# Altium PCB Motor_Driver_3_Phase.PcbDoc (part 1 of 3)
Units mm, origin at the board's own origin, x right, y up, seen from the top; angles counter-clockwise.
Board outline 164.5 x 248.75 mm, 4 copper layers (Top Layer, mid1, mid2, Bottom Layer), stack 0.604 mm thick; 448 components, 306 nets, 1071 pads, 1519 vias.
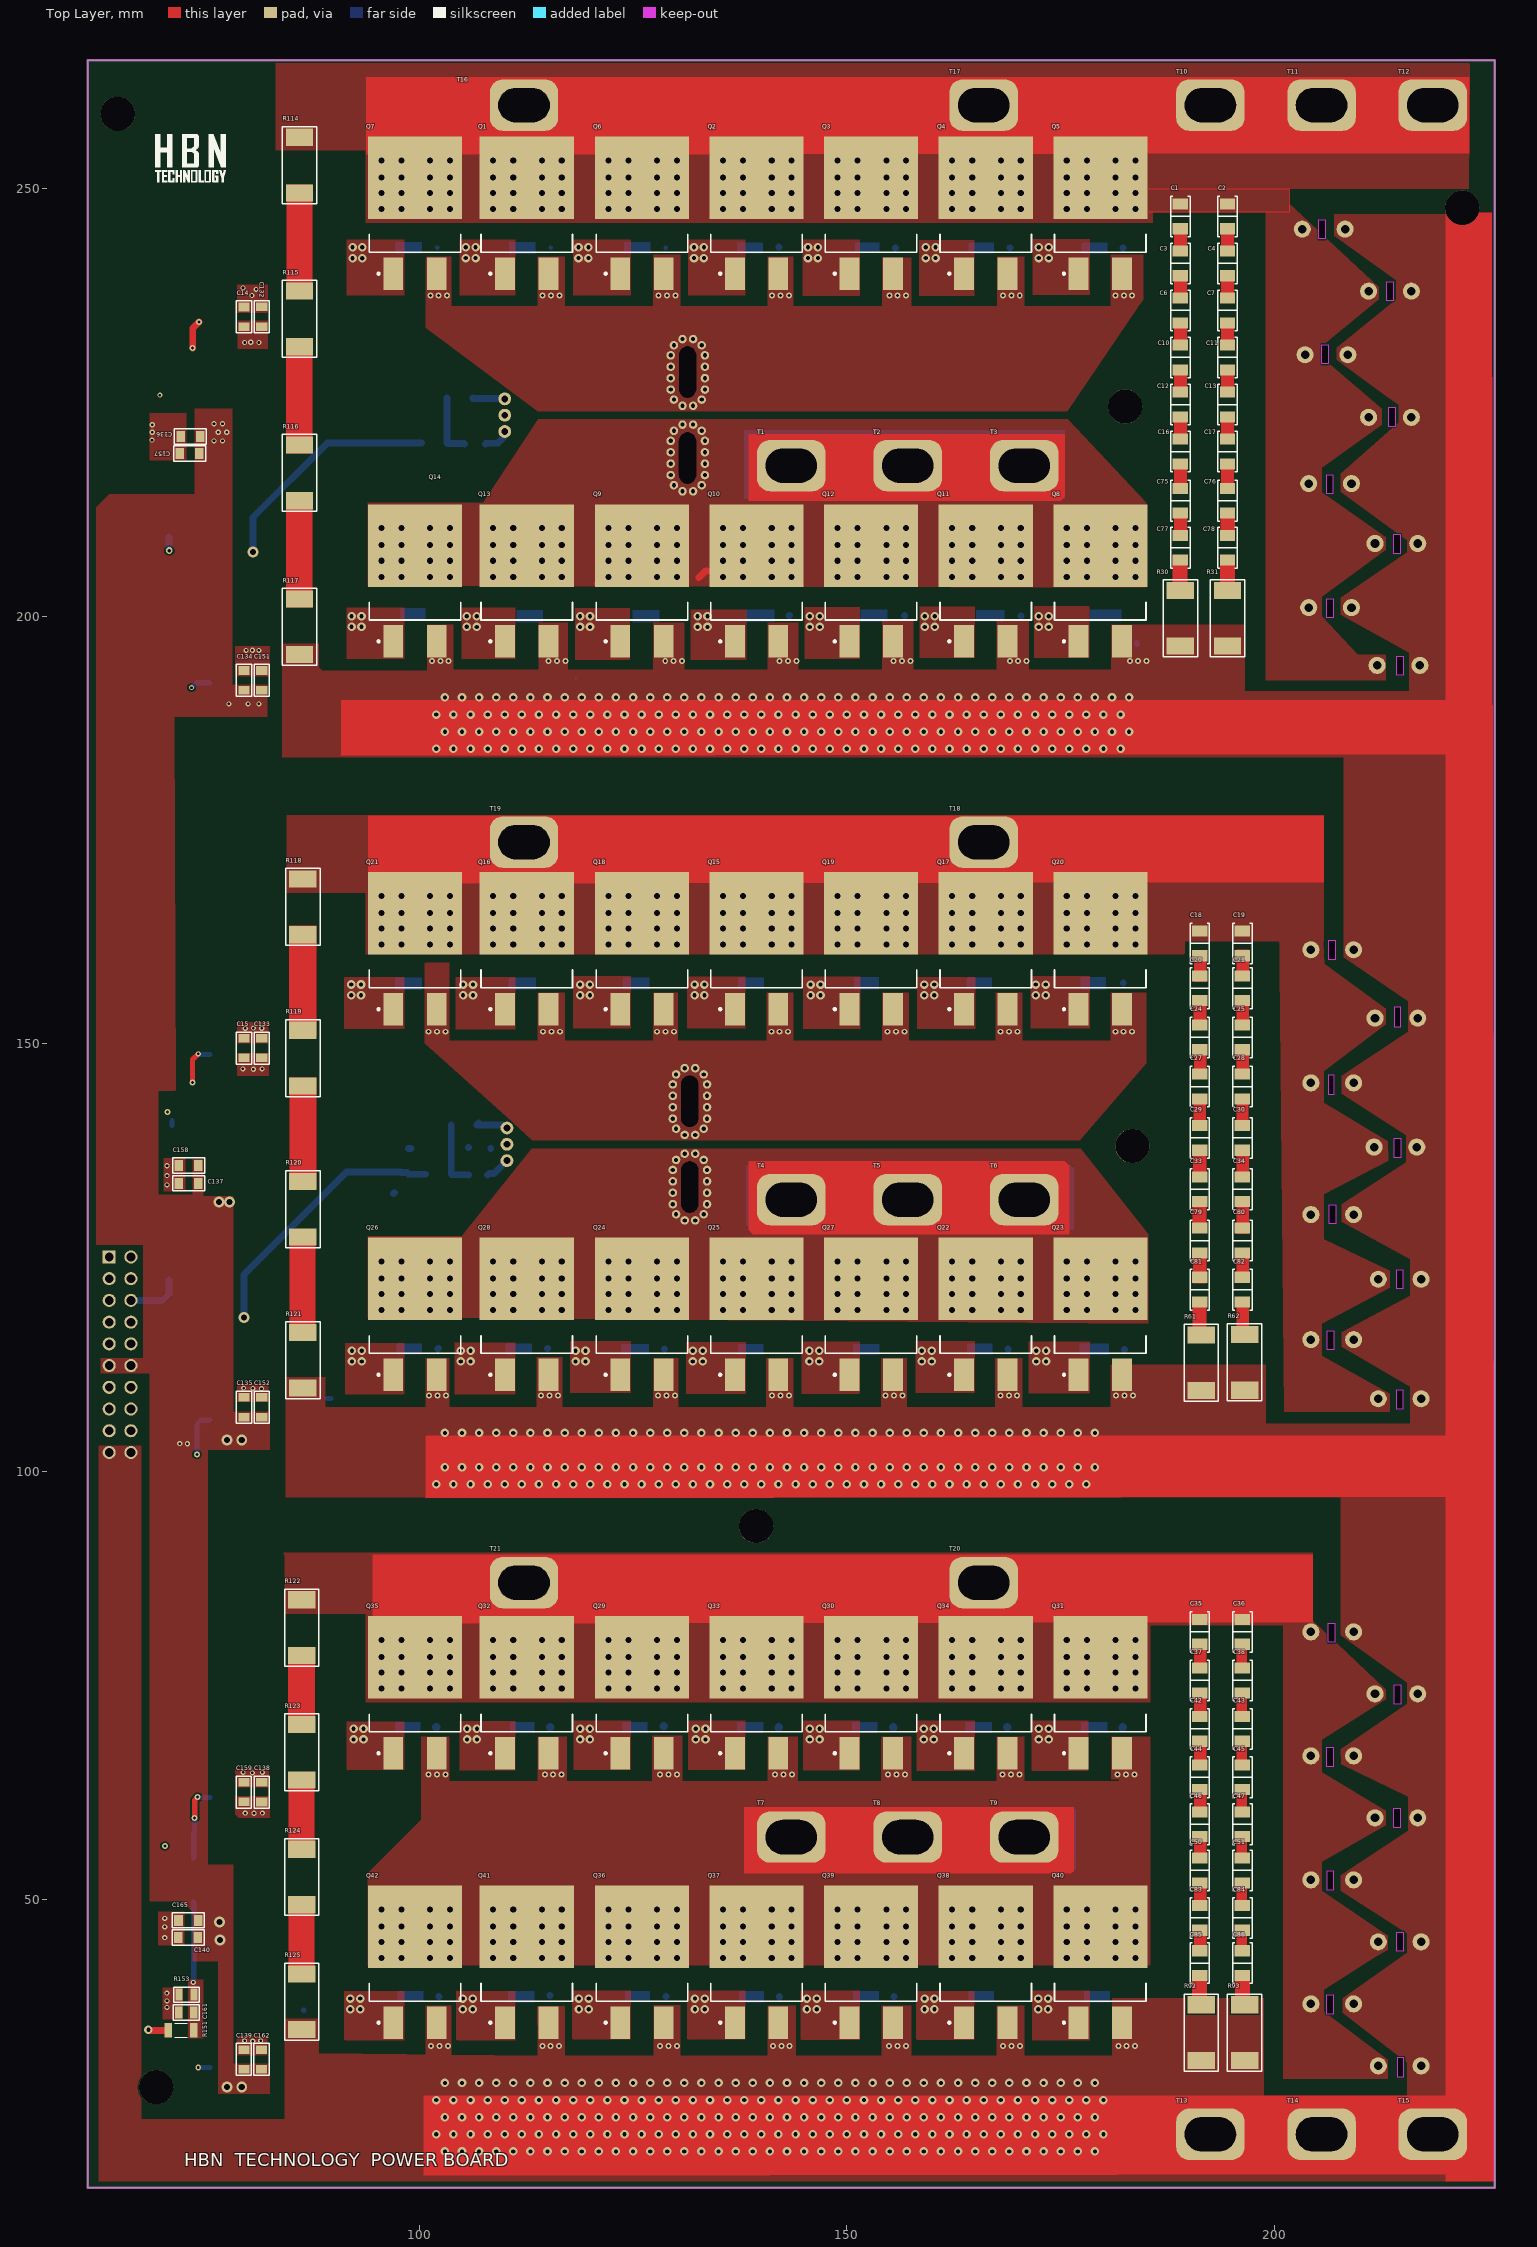
[diagram p0: Top Layer view]
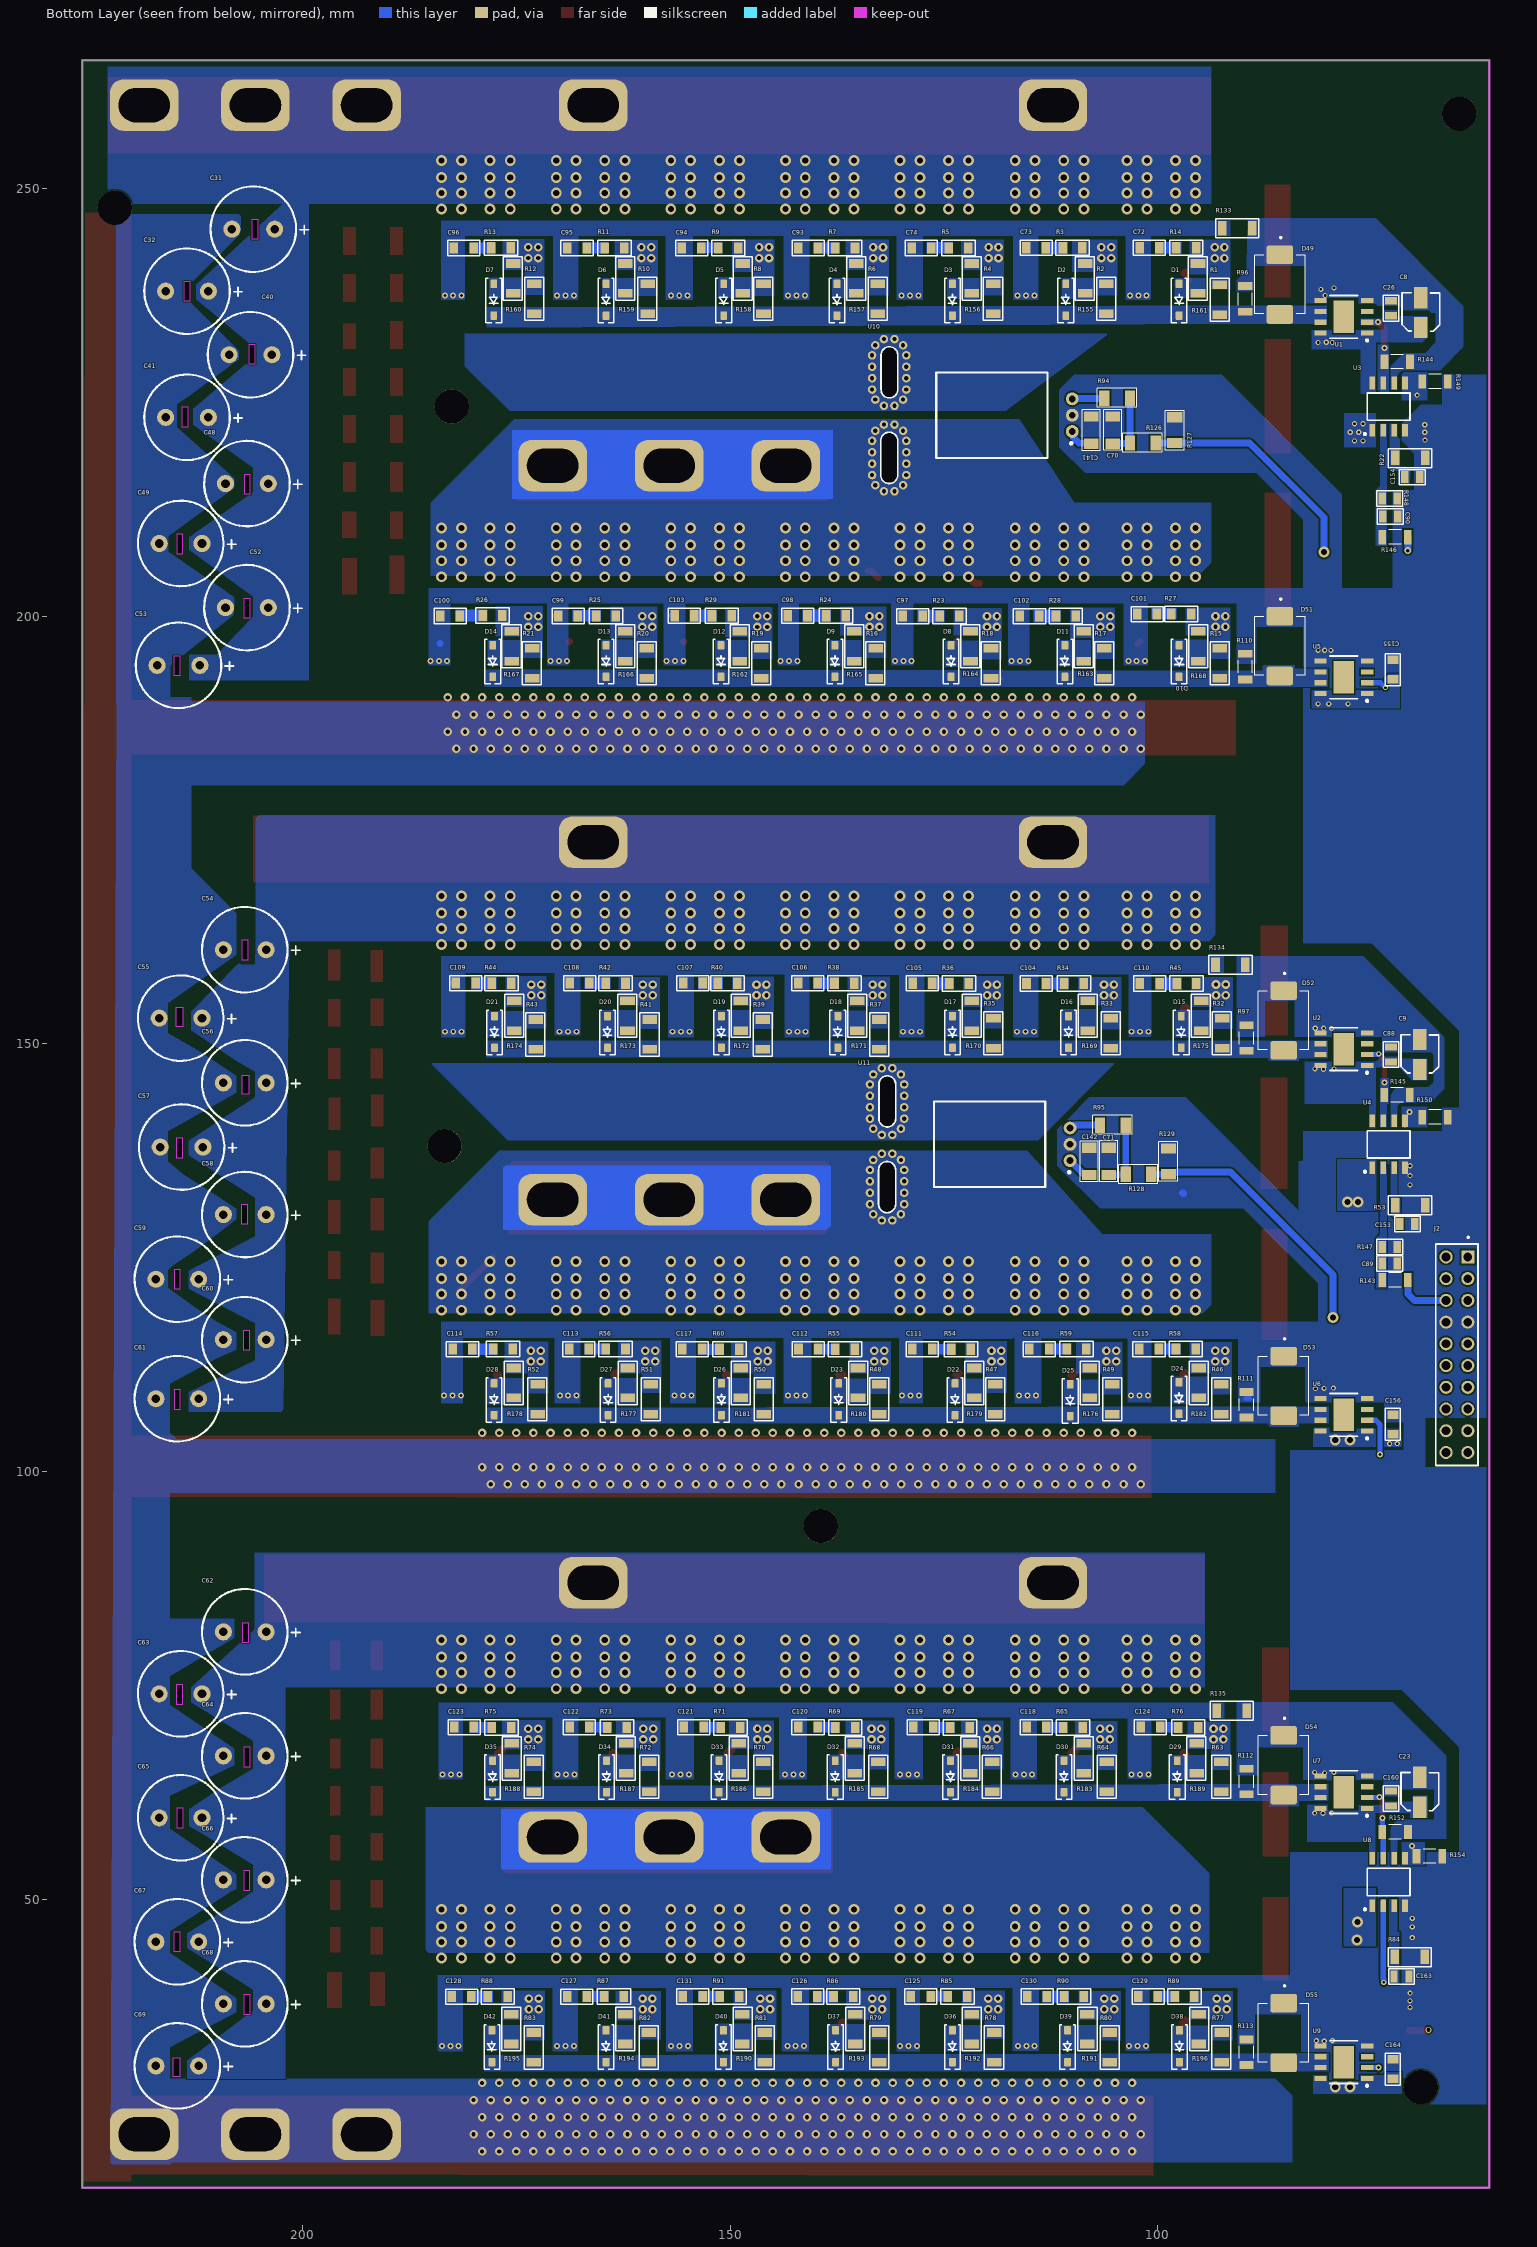
[diagram p1: Bottom Layer view, seen from below]
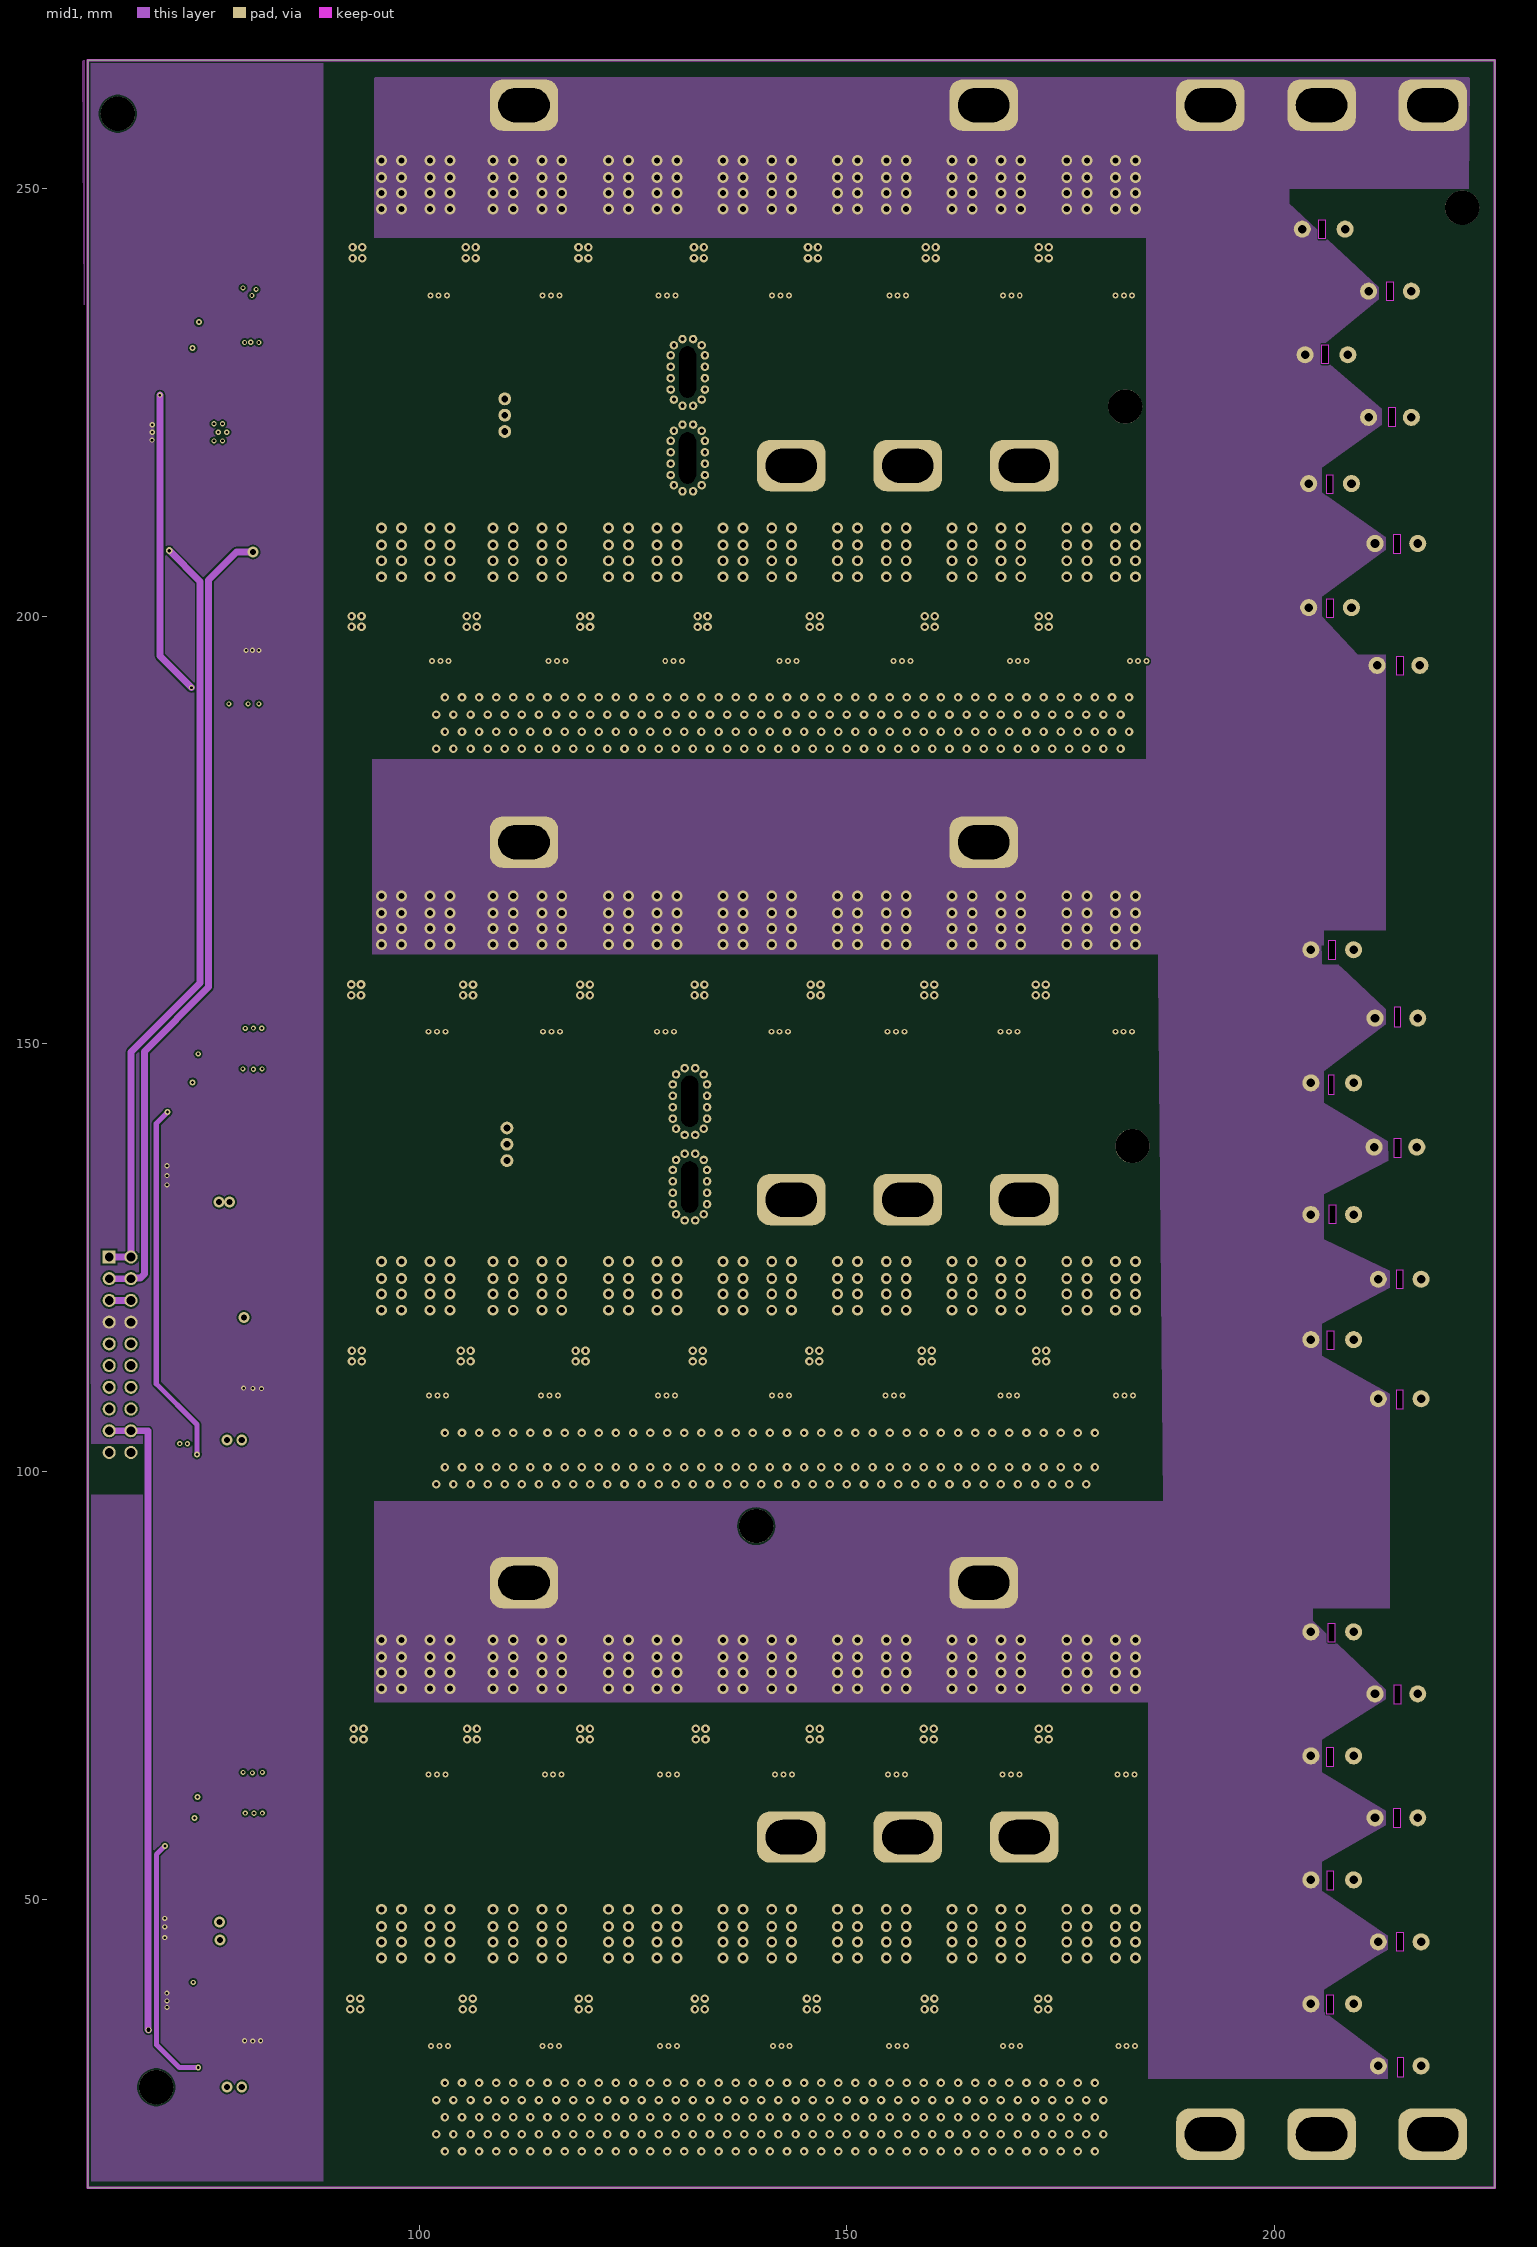
[diagram p2: mid1]
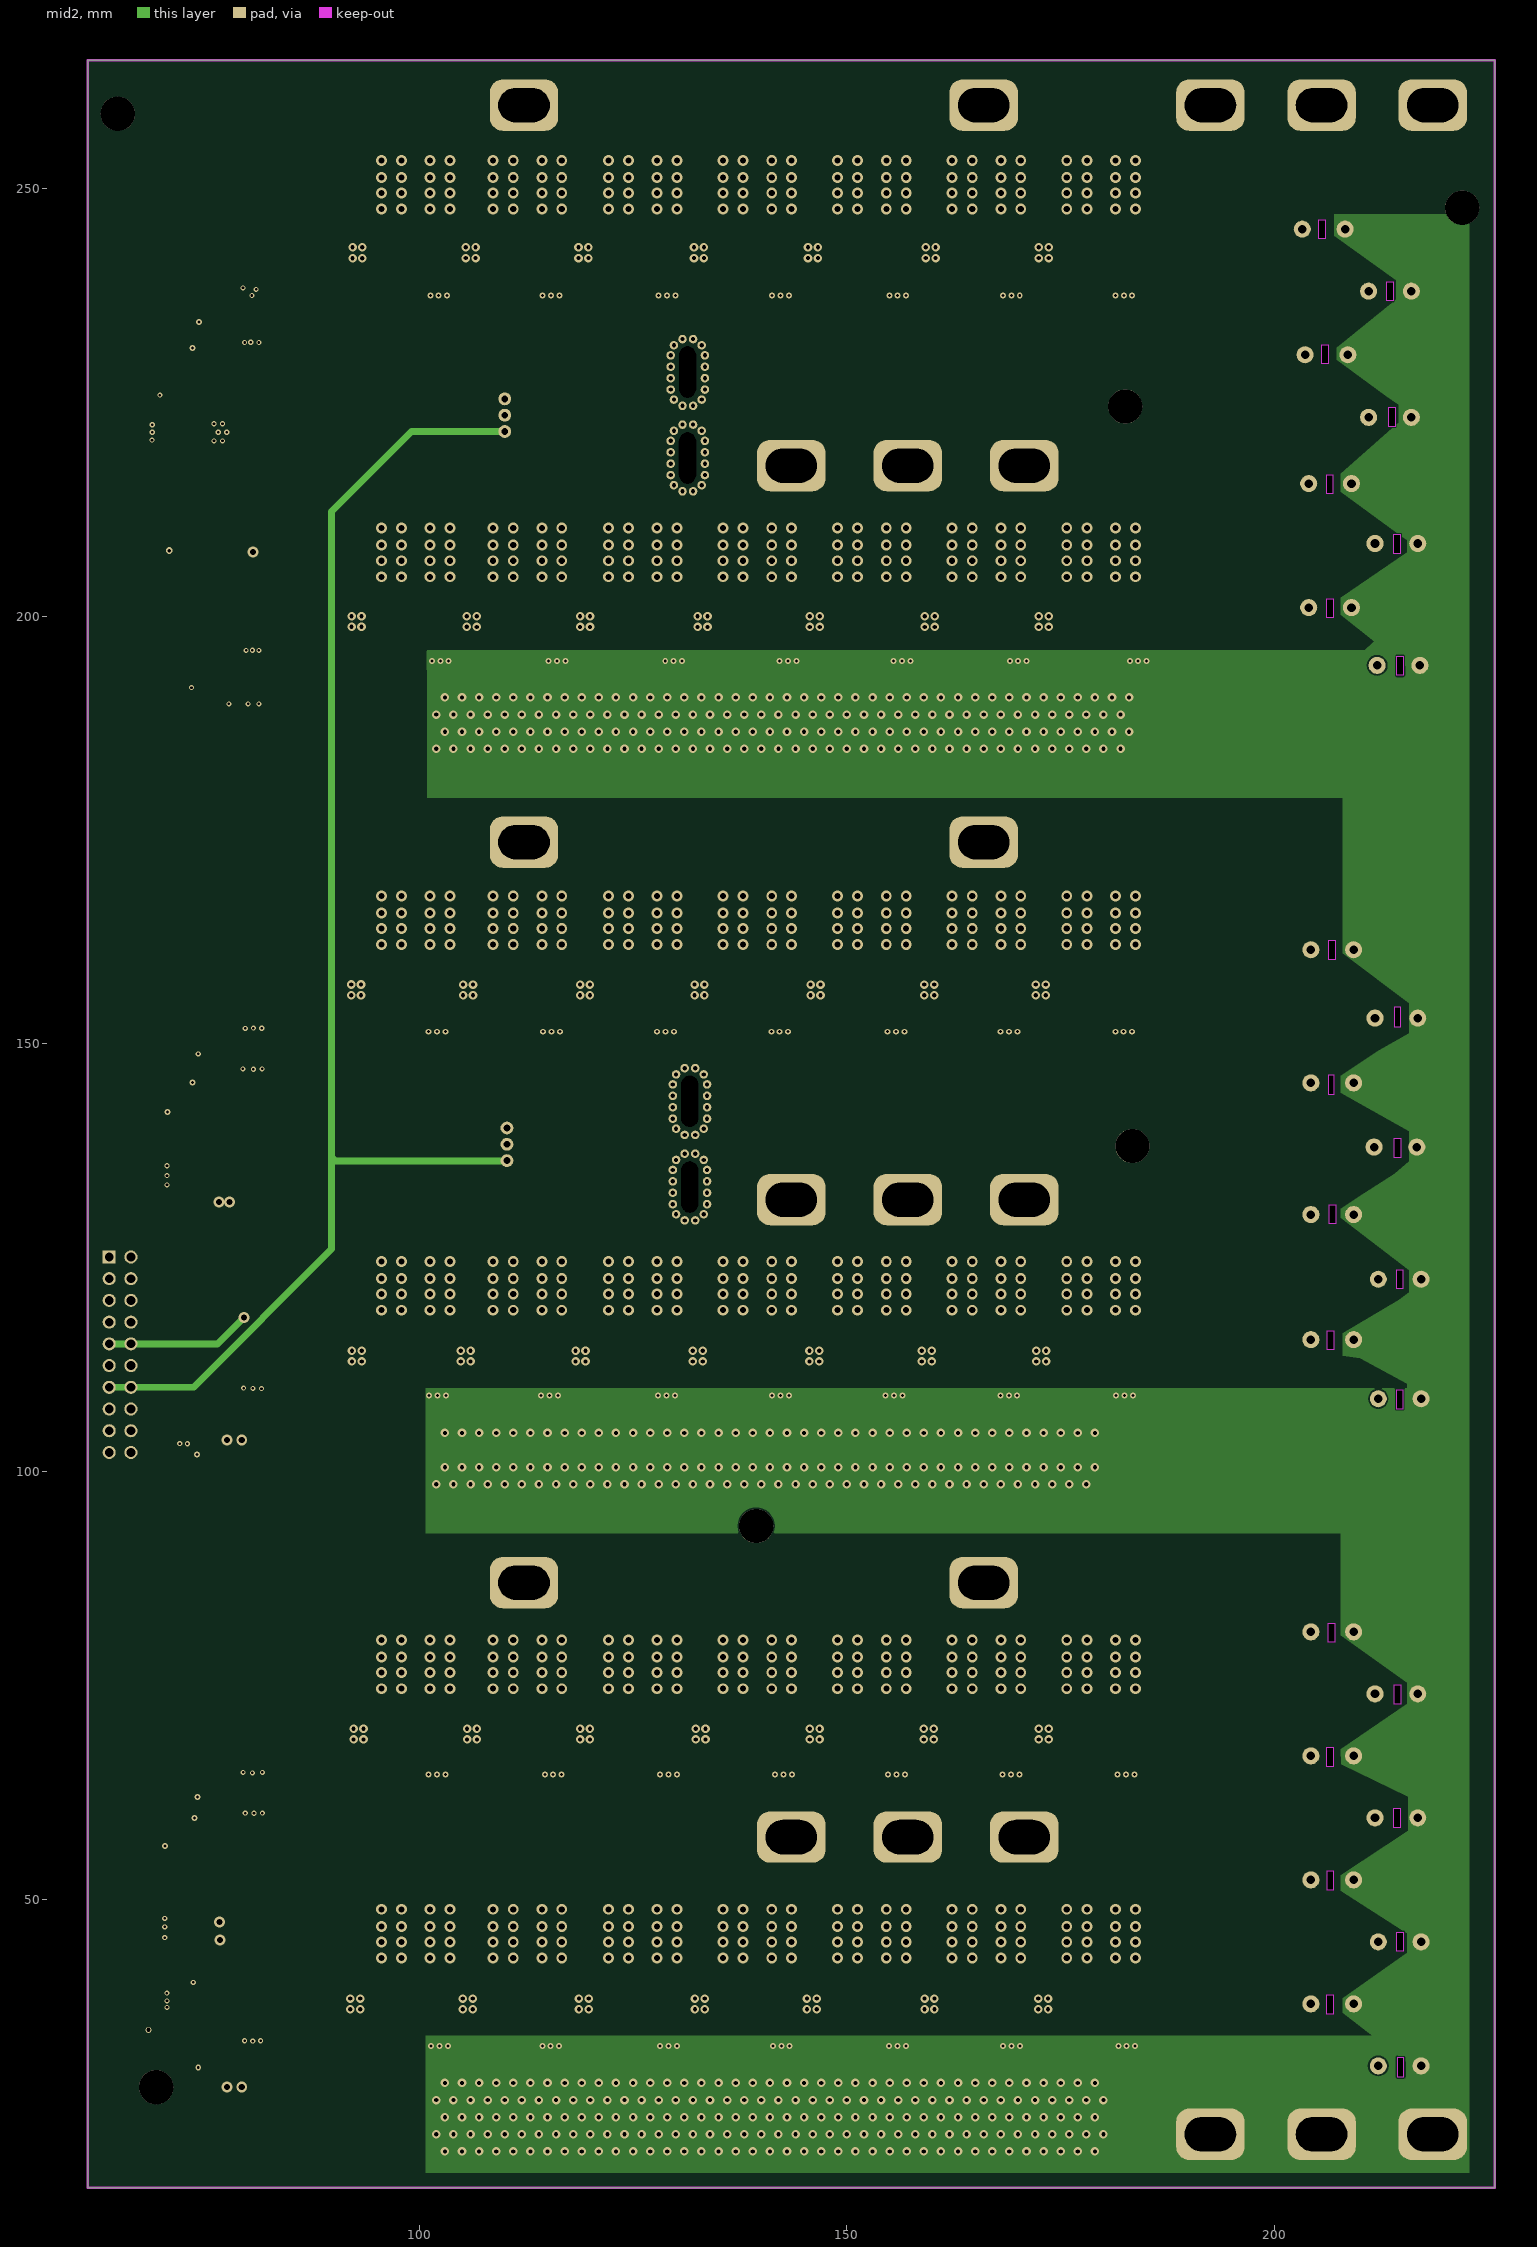
[diagram p3: mid2]
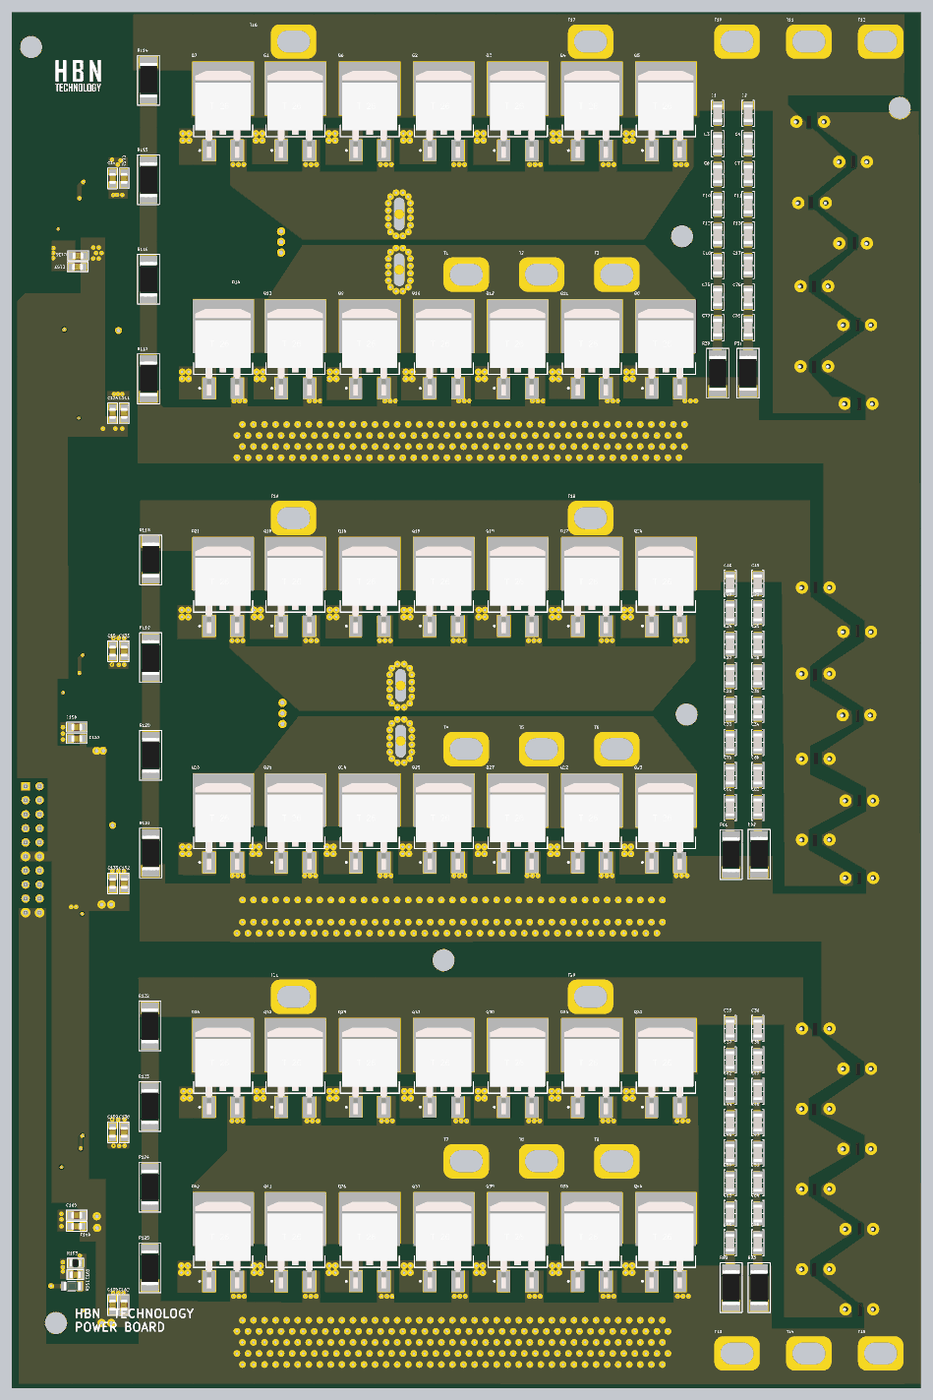
[diagram p6: 3D render of the assembled board from above, using the file's embedded part models]
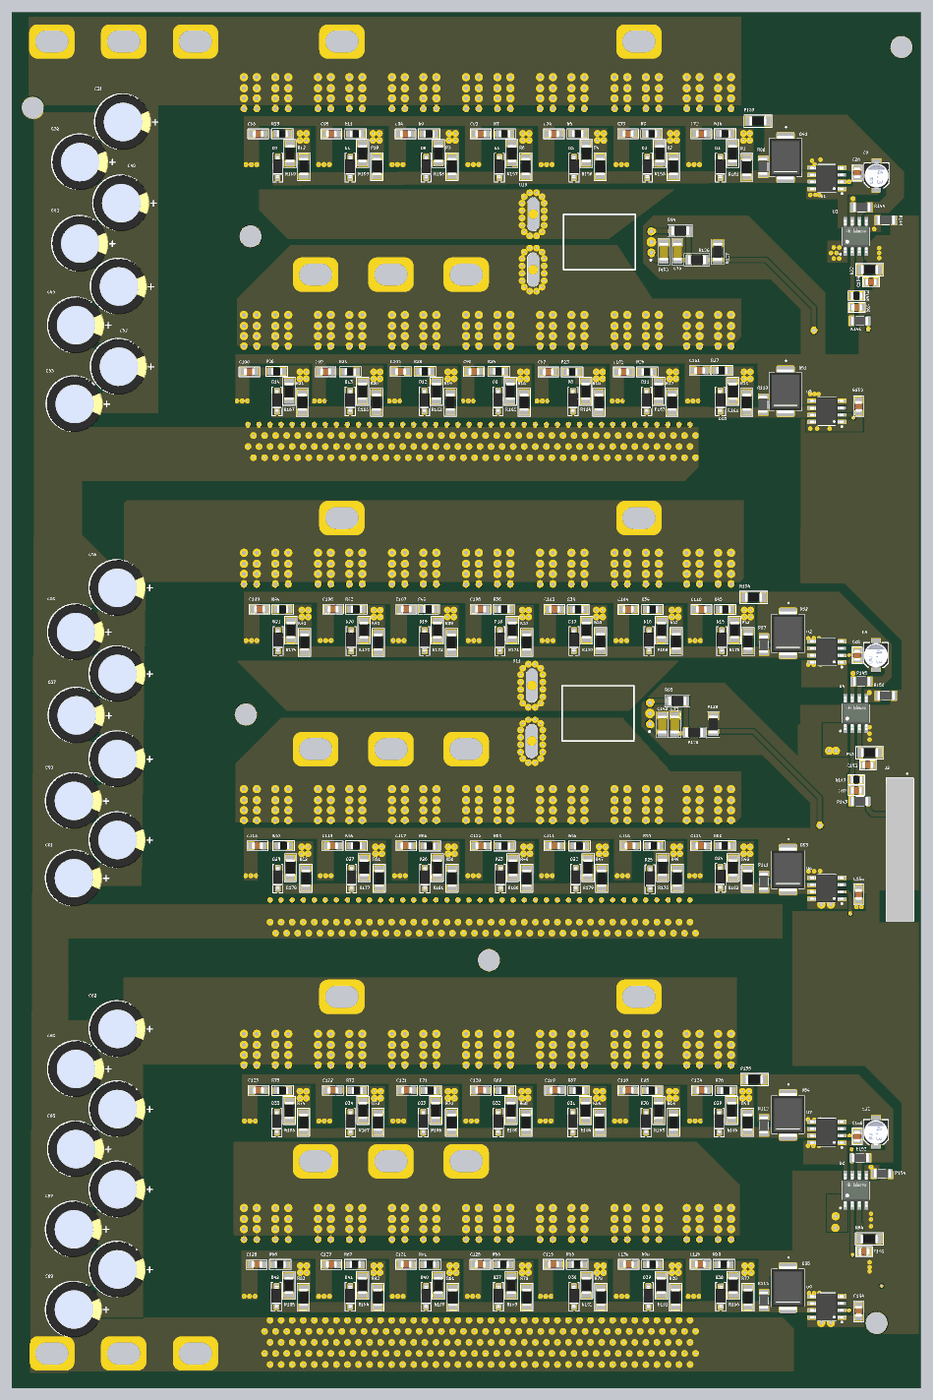
[diagram p7: 3D render of the assembled board from below, using the file's embedded part models]

## Layer stack, top to bottom
Top Solder: solder mask 0.01, Solder Resist, Dk 3.5
Top Layer: signal copper 0.036
Dielectric 2: prepreg 0.0711, PP-006, Dk 4.1
mid1: signal copper 0.035
Dielectric 1: dielectric 0.32, FR-4, Dk 4.8
mid2: signal copper 0.035
Dielectric 3: prepreg 0.0711, PP-006, Dk 4.1
Bottom Layer: signal copper 0.036
Bottom Solder: solder mask 0.01, Solder Resist, Dk 3.5

## Board outline
61.25,16.25 61.25,265 225.75,265 225.75,16.25
cut-out: 214.368,29.224 215.118,29.224 215.118,31.474 214.368,31.474
cut-out: 206.09,36.54 206.09,38.79 206.84,38.79 206.84,36.54
cut-out: 214.321,43.892 214.321,46.142 215.071,46.142 215.071,43.892
cut-out: 206.14,51.038 206.14,53.288 206.89,53.288 206.89,51.038
cut-out: 213.971,58.356 213.971,60.606 214.721,60.606 214.721,58.356
cut-out: 206.125,65.5 206.125,67.75 206.875,67.75 206.875,65.5
cut-out: 214.023,72.793 214.023,75.043 214.773,75.043 214.773,72.793
cut-out: 206.09,36.54 206.09,38.79 206.84,38.79 206.84,36.54
cut-out: 206.282,80.018 206.282,82.268 207.032,82.268 207.032,80.018
cut-out: 205.184,244.105 205.184,246.355 205.934,246.355 205.934,244.105
cut-out: 213.125,236.856 213.125,239.106 213.875,239.106 213.875,236.856
cut-out: 205.536,229.506 205.536,231.756 206.286,231.756 206.286,229.506
cut-out: 213.353,222.155 213.353,224.405 214.103,224.405 214.103,222.155
cut-out: 206.088,214.295 206.088,216.545 206.838,216.545 206.838,214.295
cut-out: 213.971,207.309 213.971,209.559 214.721,209.559 214.721,207.309
cut-out: 206.121,199.801 206.121,202.051 206.871,202.051 206.871,199.801
cut-out: 214.305,193.087 214.305,195.337 215.055,195.337 215.055,193.087
cut-out: 214.269,107.301 214.269,109.551 215.019,109.551 215.019,107.301
cut-out: 206.187,114.204 206.187,116.454 206.937,116.454 206.937,114.204
cut-out: 214.265,121.343 214.265,123.593 215.015,123.593 215.015,121.343
cut-out: 206.399,128.94 206.399,131.19 207.149,131.19 207.149,128.94
cut-out: 213.986,136.68 213.986,138.93 214.736,138.93 214.736,136.68
cut-out: 206.265,144.092 207.015,144.092 207.015,146.342 206.265,146.342
cut-out: 206.355,159.857 206.355,162.107 207.105,162.107 207.105,159.857
cut-out: 214,152 214.75,152 214.75,154.25 214,154.25
